# Altium PCB PCB1.PcbDoc
Units mm, origin at the board's own origin, x right, y up, seen from the top; angles counter-clockwise.
Board outline 95.5 x 95.5 mm, 2 copper layers (Top Layer, Bottom Layer); 59 components, 54 nets, 282 pads, 24 vias.
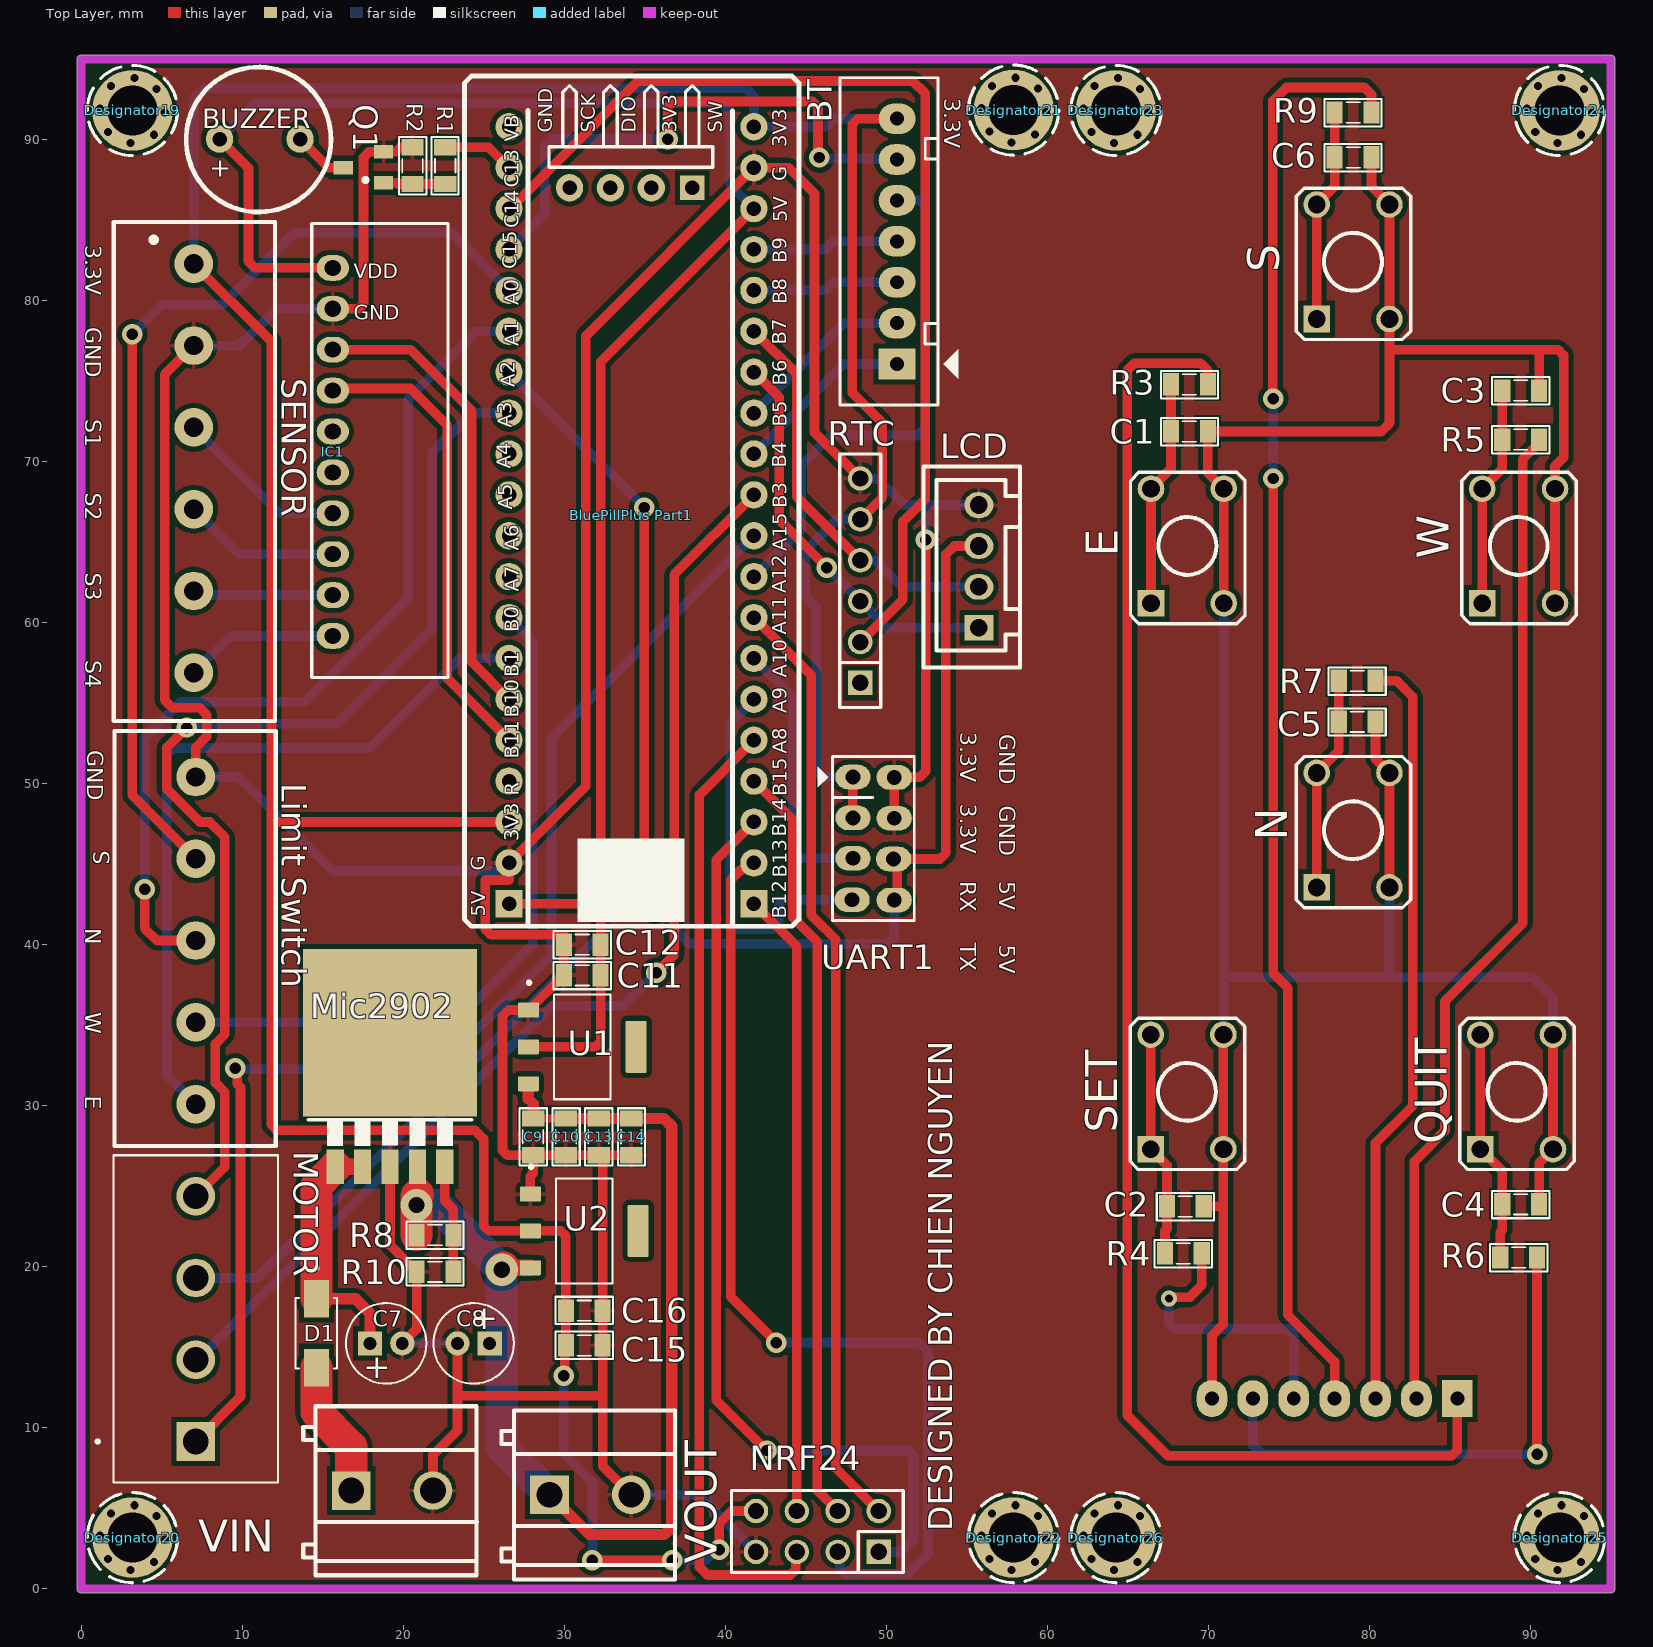
[diagram p0: Top Layer view]
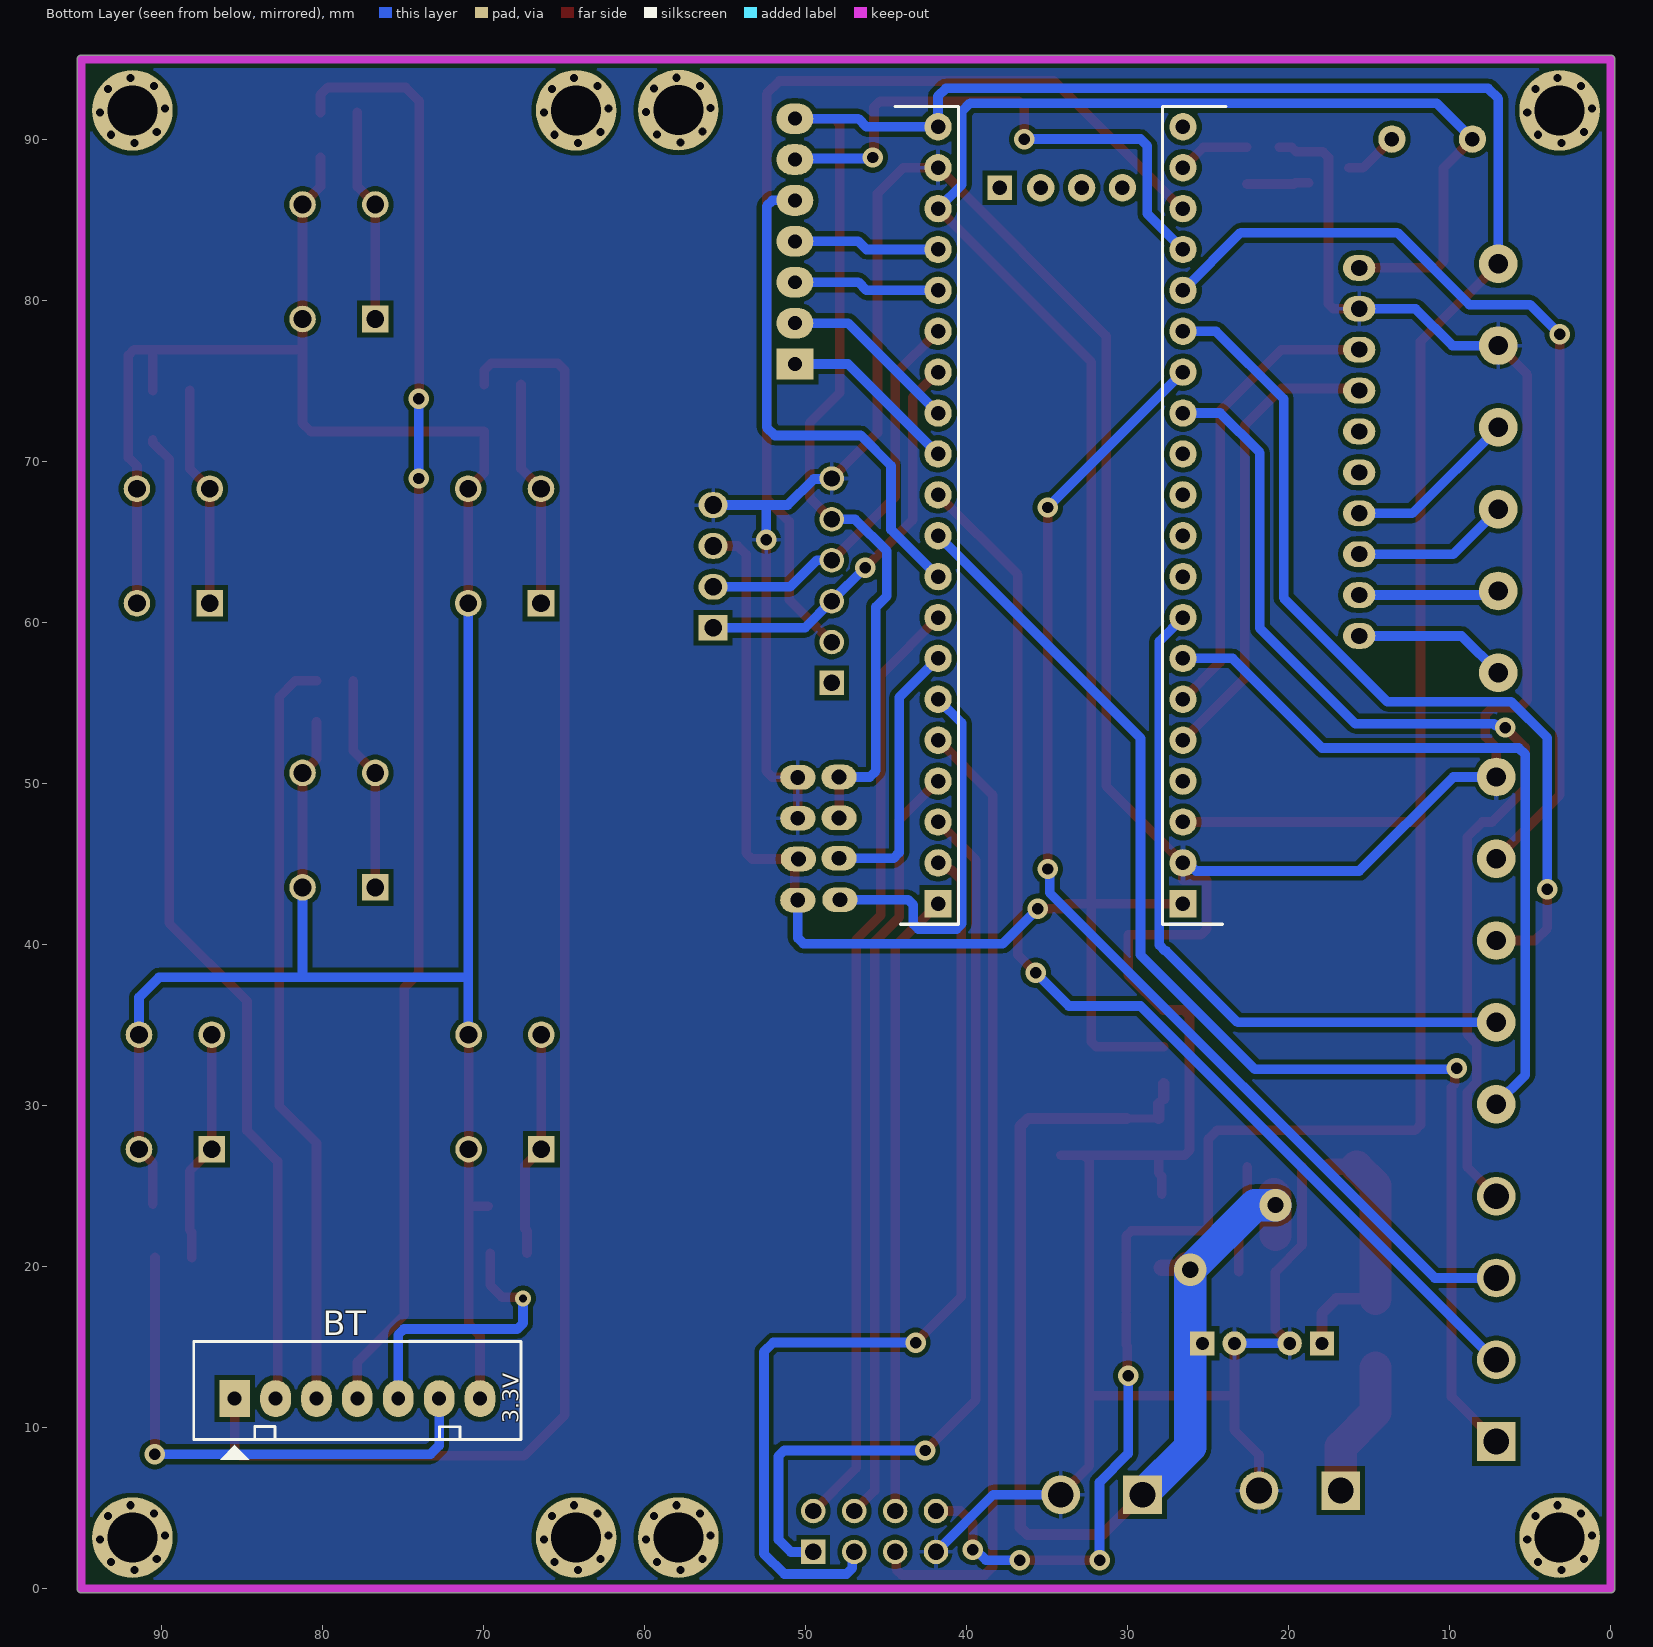
[diagram p1: Bottom Layer view, seen from below]
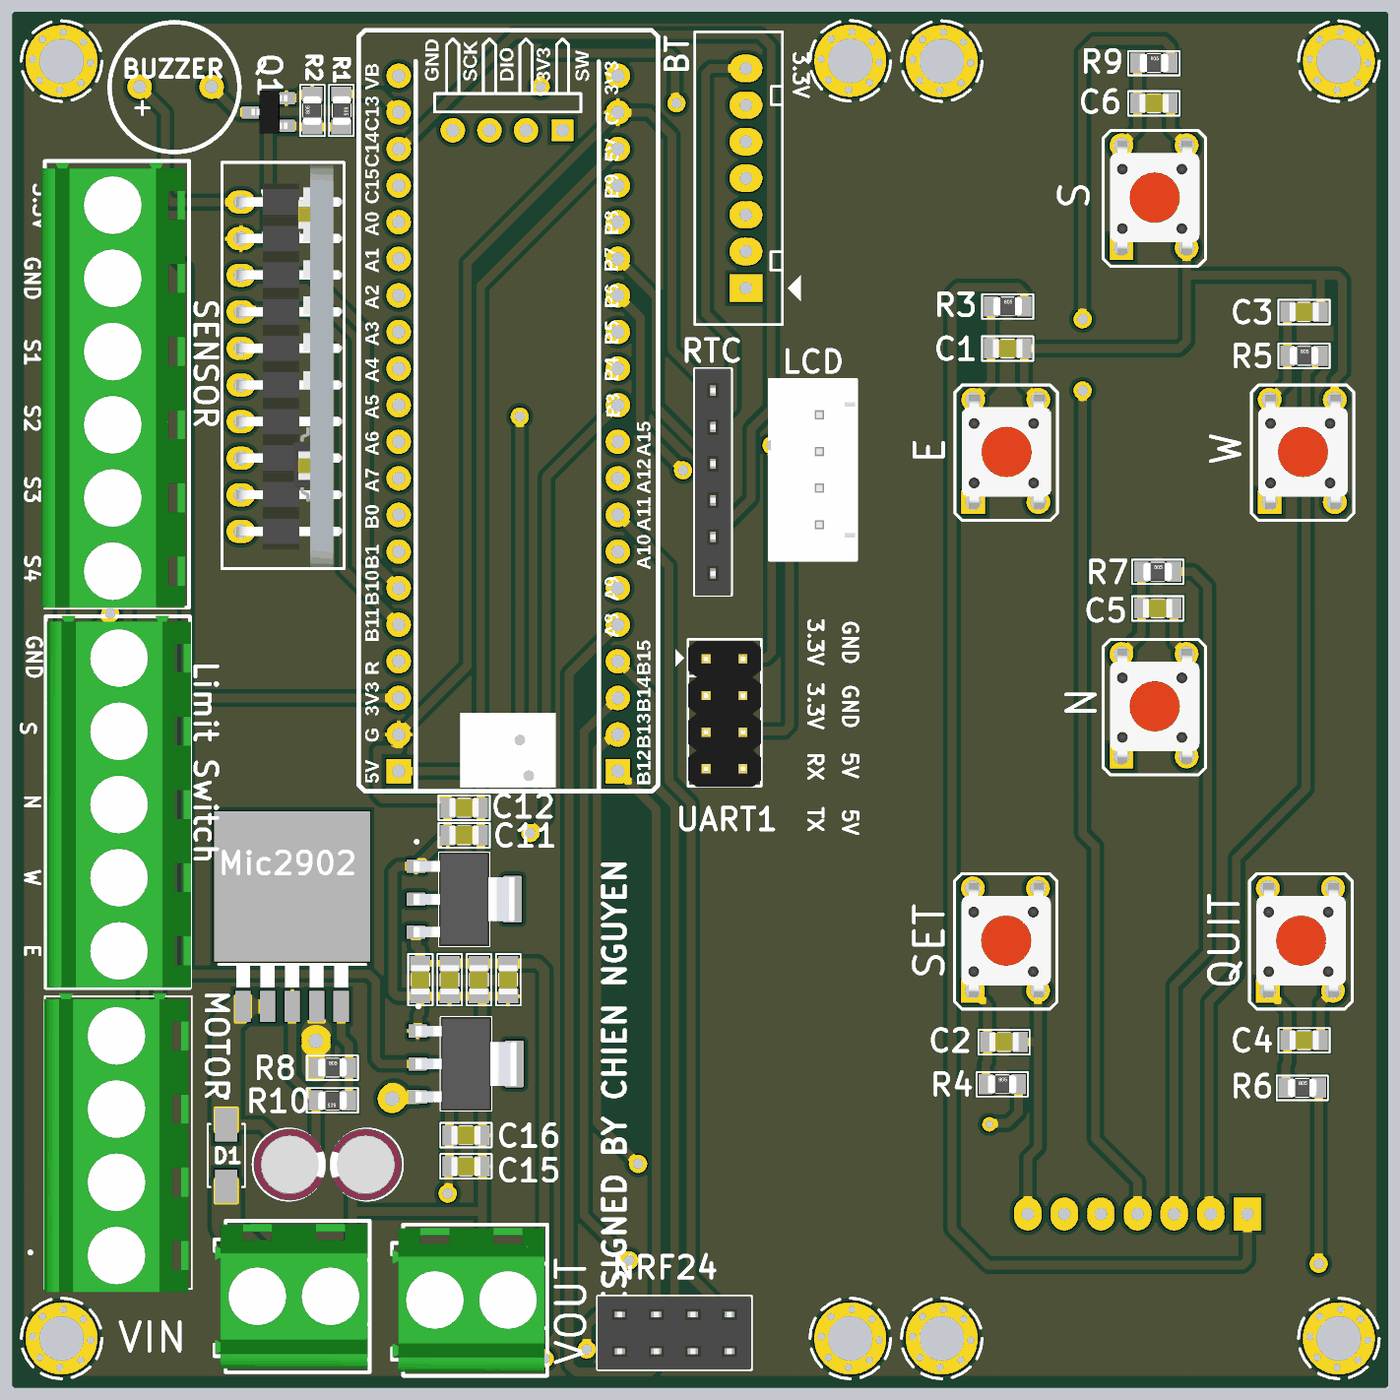
[diagram p2: 3D render of the assembled board from above, using the file's embedded part models]

## Layer stack, top to bottom
Top Solder: solder mask 0.0102, Solder Resist, Dk 3.5
Top Layer: signal copper 0.0356
Dielectric 1: dielectric 0.32, FR-4, Dk 4.8
Bottom Layer: signal copper 0.0356
Bottom Solder: solder mask 0.0102, Solder Resist, Dk 3.5

## Board outline
0,-0.25 cw(c0,0) -0.25,0 -0.25,95 cw(c0,95) 0,95.25 95,95.25 cw(c95,95) 95.25,95 95.25,0 cw(c95,0) 95,-0.25

## Design rules (kind name [scope] priority, off if disabled: settings)
Clearance [All] p1: gap=0.3 ignorepadtopadclearanceinfootprint=FALSE
PolygonConnect [All] p1: connectstyle=Relief reliefconductorwidth=0.254 reliefentries=4 polygonreliefangle="90 Angle" airgapwidth=0.254
RoutingVias VIA_PWR [InNetClass('PWR')] p1: holewidth=1 width=2 viastyle="Through Hole" minholewidth=1 minwidth=2 maxholewidth=1 maxwidth=2
RoutingVias VIA_SIGNAL [InNetClass('SIGNAL')] p2: holewidth=0.711 width=1.27 viastyle="Through Hole" minholewidth=0.711 minwidth=1.27 maxholewidth=0.711 maxwidth=1.27
SolderMaskExpansion [All] p1: expansion=0.102 istentingtop=FALSE
Width Width_SIGNAL [InNetClass('SIGNAL')] p1: maxlimit=0.7 minlimit=0.5 preferedwidth=0.6
Width Width_PWR [InNetClass('PWR')] p2: maxlimit=2 minlimit=2 preferedwidth=2
30 further rules are at their usual default settings.

## Classes and differential pairs
net class SIGNAL: 3.3V 3.3V-BT 5V CE CSN E GND INT_Wakeup IRQ MISO MOSI N NetBUZZER_2 NetC1_1 NetC2_1 NetC3_1 NetC4_1 NetC5_1 NetC6_1 NetIC2_5 NetQ1_1 PA12(SET) PA12(SET)-BT PB4(E) PB4(E)-BT PB5(W) PB5(W)-BT PB8(N) PB8(N)-BT PB9(S) PB9(S)-BT PC13(BUZZER) PC15(QUIT) PC15(QUIT)-BT S SCK SCL(I2C1) SCL(I2C2) SDA(I2C1) SDA(I2C2) "Sensor 1" "Sensor 2" "Sensor 3" "Sensor 4" TIM2_CH1 TIM2_CH2 TIM2_CH3 TIM2_CH4 UART1_RX UART1_TX W
net class PWR: 8V 12V NetC7_1
component class MAIN_Schematic: "BluePillPlus Part1" BT C1 C2 C3 C4 C5 C6 C7 C8 C9 C10 C11 C12 C13 C14 C15 C16 D1 E IC1 LCD Mic2902 MOTOR Q1 QUIT R1 R2 R3 R4 R5 R6 R7 R8 R9 R10 SENSOR SET U1 U2 VIN VOUT W

## Components (designator, comment, footprint, x,y, rotation, side; value= is the part's Value field where it differs from the comment)
"BluePillPlus Part1" "U?" BluePillPlus 8.293,67.272 r90 top
BT "BUTTON PORT-BT" Header7 85.471,11.811 r180 bottom value="Connector 7" (schematic designator JP3)
BT "BUTTON PORT" Header7 50.673,76.073 r90 top value="Connector 7" (schematic designator JP2)
BUZZER "Buzzer" "Buzzer 9mm" 11.008,90.006 r270 top
C1 "100nF" CAP_0805 68.834,71.882 r0 top value=33p
C2 "100nF" CAP_0805 68.58,23.749 r0 top value=33p
C3 "100nF" CAP_0805 89.408,74.422 r0 top value=33p
C4 "100nF" CAP_0805 89.408,23.876 r0 top value=33p
C5 "100nF" CAP_0805 79.248,53.848 r0 top value=33p
C6 "100nF" CAP_0805 78.994,88.9 r0 top value=33p
C7 "100uF/16V" CA-ALU-5 18.939,15.24 r0 top value=104
C8 "10uF/16V" CA-ALU-5 24.368,15.24 r180 top value=104
C9 "10uF" CAP_0805 28.067,28.067 r90 top value=33p
C10 "100nF" CAP_0805 30.099,28.067 r90 top value=33p
C11 "10uF" CAP_0805 31.115,38.1 r0 top value=33p
C12 "100nF" CAP_0805 31.115,40.005 r0 top value=33p
C13 "10uF" CAP_0805 32.131,28.067 r90 top value=33p
C14 "100nF" CAP_0805 34.163,28.067 r90 top value=33p
C15 "10uF" CAP_0805 31.242,15.113 r180 top value=33p
C16 "100nF" CAP_0805 31.242,17.272 r180 top value=33p
D1 "SS34" DIOM4325X244N 14.605,15.875 r270 top
Designator19 "Comment" "Hole Vit 3mm" 3.175,91.821 r0 top
Designator20 "Comment" "Hole Vit 3mm" 3.175,3.175 r0 top
Designator21 "Comment" "Hole Vit 3mm" 57.914,91.844 r0 top
Designator22 "Comment" "Hole Vit 3mm" 57.912,3.175 r0 top
Designator23 "Comment" "Hole Vit 3mm" 64.262,91.821 r0 top
Designator24 "Comment" "Hole Vit 3mm" 91.821,91.821 r0 top
Designator25 "Comment" "Hole Vit 3mm" 91.821,3.175 r0 top
Designator26 "Comment" "Hole Vit 3mm" 64.262,3.175 r0 top
E "Nut nhan 7mm" "BUTTON 4 PIN" 68.707,64.77 r90 top (schematic designator SW1)
IC1 "Module ADS1015 1115 - I2C2" "ADS1015 1115" 18.676,71.009 r270 top
LCD "I2C1 (LCD)" "XH2.54 4P" 55.753,59.69 r90 top (schematic designator H4)
"Limit Switch" "Limit switch terminal" "Header 5P 5.08" 7.052,36.819 r90 top (schematic designator H1)
Mic2902 "MIC29302WU" TO263-5 19.177,32.004 r0 top (schematic designator IC2)
MOTOR "Motor Port" "Header 4P 5.08" 7.555,16.681 r90 top (schematic designator H2)
N "Nut nhan 7mm" "BUTTON 4 PIN" 78.994,47.117 r90 top (schematic designator SW5)
NRF24 "SPI NRF24" JP4-C2T 45.72,3.556 r180 top value="Connector 4x2" (schematic designator J1)
Q1 "SI2306" SOT23 17.526,88.265 r90 top
QUIT "Nut nhan 7mm" "BUTTON 4 PIN" 89.154,30.861 r90 top (schematic designator SW4)
R1 "10R" RES-SMD-0805 22.606,88.392 r270 top
R2 "10K" RES-SMD-0805 20.574,88.392 r90 top
R3 "330R" RES-SMD-0805 68.834,74.803 r0 top
R4 "330R" RES-SMD-0805 68.453,20.828 r0 top
R5 "330R" RES-SMD-0805 89.408,71.374 r0 top
R6 "330R" RES-SMD-0805 89.281,20.574 r0 top
R7 "330R" RES-SMD-0805 79.248,56.388 r0 top
R8 "5.1k 0805" RES-SMD-0805 21.971,21.971 r0 top
R9 "330R" RES-SMD-0805 78.994,91.694 r0 top
R10 "1k 0805" RES-SMD-0805 21.971,19.685 r180 top
RTC "DS3231 Port" JP6-C1T 48.387,56.261 r90 top value=JP7 (schematic designator JP1)
S "Nut nhan 7mm" "BUTTON 4 PIN" 78.994,82.423 r90 top (schematic designator SW6)
SENSOR "Sensor Port" "Header 6P 5.08" 7.045,75.576 r270 top (schematic designator H3)
SET "Nut nhan 7mm" "BUTTON 4 PIN" 68.682,30.861 r90 top (schematic designator SW2)
U1 "AMS1117-5" SOT229P700X180-4N 31.115,33.655 r270 top
U2 "AMS1117-3.3" SOT229P700X180-4N 31.242,22.225 r270 top
UART1 "UART và PIN mở rộng" JP4x2 49.187,46.596 r270 top value="Connector 4x2" (schematic designator J2)
VIN "Header 2P" KF128-5.0-2P 18.834,6.176 r0 top (schematic designator H5)
VOUT "POWER 8V" KF128-5.0-2P 31.153,5.922 r0 top (schematic designator H6)
W "Nut nhan 7mm" "BUTTON 4 PIN" 89.281,64.77 r90 top (schematic designator SW3)

## Footprints (in the part's own frame and the unit in brackets; to place one, negate y for a bottom-side part, rotate by r counter-clockwise, add the part's x,y. Pads: shape width x height; smd on the part's side, far side on the other; paste and mask are expansions set on the pad)
"ADS1015 1115" [mm]
  oval 1.6x2 hole 1: 1(-11.033,-3.055) 2(-8.493,-3.055) 3(-5.953,-3.055) 4(-3.413,-3.055) 5(-0.873,-3.055) 6(1.667,-3.055) 7(4.207,-3.055) 8(6.747,-3.055) 9(9.287,-3.055) 10(11.827,-3.055)
  silkscreen extent -13.79,-4.36 14.42,4.1, body extent -13.62,-3.34 14.32,3.96, height 18.14
BluePillPlus [mm]
  rect 1.7x1.7 hole 0.9: 1(-24.727,-33.49) 40(-24.727,-18.275)
  round 1.7 hole 0.9: 2(-22.187,-33.49) 3(-19.647,-33.49) 4(-17.107,-33.49) 5(-14.567,-33.49) 6(-12.027,-33.49) 7(-9.487,-33.49) 8(-6.947,-33.49) 9(-4.407,-33.49) 10(-1.867,-33.49) 11(0.673,-33.49) 12(3.213,-33.49) 13(5.753,-33.49) 14(8.293,-33.49) 15(10.833,-33.49) 16(13.373,-33.49) 17(15.913,-33.49) 18(18.453,-33.49) 19(20.993,-33.49) 20(23.533,-33.49) 21(23.533,-18.275) 22(20.993,-18.275) 23(18.453,-18.275) 24(15.913,-18.275) 25(13.373,-18.275) 26(10.833,-18.275) 27(8.293,-18.275) 28(5.753,-18.275) 29(3.213,-18.275) 30(0.673,-18.275) 31(-1.867,-18.275) 32(-4.407,-18.275) 33(-6.947,-18.275) 34(-9.487,-18.275) 35(-12.027,-18.275) 36(-14.567,-18.275) 37(-17.107,-18.275) 38(-19.647,-18.275) 39(-22.187,-18.275) 42(19.749,-27.114) 43(19.749,-24.575) 44(19.748,-22.034)
  rect 1.5x1.5 hole 0.9: 41(19.749,-29.654)
  silkscreen extent -26.12,-36.28 26.68,-15.51
"BUTTON 4 PIN" [mil] "BUTTON SMORE 280mil x 178mil"
  rect 65x65 hole 43.31: 1(-140,89)
  round 65 hole 43.31: 1(140,89) 2(-140,-89) 2(140,-89)
  silkscreen extent -190,-141 180,139, body extent -159,-124 153,120, height 276
"Buzzer 9mm" [mm] "Coi 9mm Buzz Buzzer SPK SP"
  round 1.7 hole 0.9: 1(-0.037,-2.419) 2(-0.037,2.581)
  silkscreen extent -4.51,-4.49 4.49,4.5, body extent -4.48,-4.46 4.52,4.54, height 5.5
CA-ALU-5 [mm] "Polarized capacitors, Aluminum Electrolytic Capacitors, 2-Leads, Body 5x11x2x0.5"
  rect 1.5x1.5 hole 0.8: 1(-1,0)
  round 1.5 hole 0.8: 2(1,0)
  silkscreen extent -2.5,-2.5 2.5,2.5, body extent -2.41,-2.5 2.59,2.5, height 11
CAP_0805 [mil]
  rect 39.37x55 smd: 1(-45,0) 2(45,0)
  silkscreen extent -70,-34 70,33, body extent -40,-25 40,25, height 24
DIOM4325X244N [mm]
  rect 2.33x1.55 smd: A(2.135,0) C(-2.135,0)
  silkscreen extent -4.15,-1.29 2.19,1.29
Header7 [mil] "CON7"
  rect 75x90 hole 34: 1(0,0)
  oval 75x90 hole 34: 2(100,0) 3(200,0) 4(300,0) 5(400,0) 6(500,0) 7(600,0)
  silkscreen extent -100,-150 700,140
"Header 4P 5.08" [mm]
  rect 2.4x2.4 hole 1.6: 1(-7.537,0.443)
  round 2.4 hole 1.6: 2(-2.457,0.443) 3(2.623,0.443) 4(7.703,0.443)
  silkscreen extent -10.08,-4.66 10.24,6.64, body extent -10.29,-4.43 10.43,5.57, height 14
"Header 5P 5.08" [mm]
  round 2.4 hole 1.2: 1(-6.72,-0.06) 2(-1.64,-0.06) 3(3.44,-0.06) 4(8.52,-0.06) 5(13.6,-0.06)
  silkscreen extent -9.32,-5.03 16.47,4.98, body extent -9.29,-5.11 16.51,4.89, height 14
"Header 6P 5.08" [mm]
  round 2.4 hole 1.2: 1(-6.72,-0.06) 2(-1.64,-0.06) 3(3.44,-0.06) 4(8.52,-0.06) 5(13.6,-0.06) 6(18.68,-0.06)
  silkscreen extent -9.32,-5.03 21.69,4.98, body extent -9.19,-5.32 21.69,4.68, height 14
"Hole Vit 3mm" [mm]
  round 0.5 hole 0.5: 0(-2.009,0.125) 0(-1.509,-1.332) 0(-1.332,1.509) 0(-0.125,-2.009) 0(0.125,2.009) 0(1.332,-1.509) 0(1.509,1.332) 0(2.009,-0.125)
  round 5 hole 3.1: 0(0,0)
  silkscreen extent -2.8,-2.8 2.8,2.8
JP4-C2T [mm] "8 pins, dual row, straight, gold plating"
  rect 1.52x1.52 hole 1.02: 1(-3.81,1.27)
  round 1.52 hole 1.02: 2(-1.27,1.27) 3(1.27,1.27) 4(3.81,1.27) 5(3.81,-1.27) 6(1.27,-1.27) 7(-1.27,-1.27) 8(-3.81,-1.27)
  silkscreen extent -5.33,-2.54 5.33,2.54, body extent -5.33,-2.54 5.33,2.54, height 8.51
JP4x2 [mil] "Connector 4x2"
  oval 60x86 hole 36: 1(-150.5,-49.5) 2(-50.5,-49.5) 3(48.5,-49.5) 4(149.5,-51.5) 5(-149.5,51.5) 6(-49.5,51.5) 7(50,50) 8(150.5,51.5)
  silkscreen extent -201,-135 201,101, body extent -197,-100 203,100, height 335
JP6-C1T [mm] "6 row, straight, gold plating"
  rect 1.52x1.52 hole 1.02: 1(0,0)
  round 1.52 hole 1.02: 2(2.54,0) 3(5.08,0) 4(7.62,0) 5(10.16,0) 6(12.7,0)
  silkscreen extent -1.52,-1.27 14.22,1.27, body extent -1.52,-1.25 14.22,1.25, height 8.51
KF128-5.0-2P [mm] "KF128 5.0 2P Terminal"
  rect 2.4x2.4 hole 1.6: 1(-2.07,-0.08)
  round 2.4 hole 1.6: 2(3.01,-0.08)
  silkscreen extent -5.04,-5.34 5.73,5.16, body extent -5.01,-5.08 5.55,4.92, height 14
RES-SMD-0805 [mm]
  rect 1x1.397 smd: 1(-1.143,0) 2(1.143,0)
  silkscreen extent -1.78,-0.86 1.78,0.84, body extent -1,-0.62 1,0.63, height 0.8
SOT23 [mm] "SOT 23 _ 1-3-2"
  rect 0.85x1.2 smd: 1(-0.94,-1.245) 2(0.986,-1.25) 3(0.005,1.25)
  silkscreen extent -0.88,-0.25 -0.64,0, body extent -1.47,-1.33 1.53,1.17, height 1.06
SOT229P700X180-4N [mm]
  rrect15% 0.93x1.31 smd: 1(-2.29,-3.345) 2(0,-3.345) 3(2.29,-3.345)
  rrect15% 3.24x1.31 smd: 4(0,3.345)
  silkscreen extent -4.09,-3.4 3.25,1.75, body extent -3.25,-3.5 3.25,3.5, height 1.8
TO263-5 [mil]
  rect 42x85 smd: 1(-134,-228) 2(-67,-228) 3(0,-228) 4(67,-228) 5(134,-228)
  rect 425.2x409.84 smd: 6(0,100)
  silkscreen extent -201,-176 201,-110
"XH2.54 4P" [mm] "Header 4P 2.54"
  rect 1.6x1.8 hole 1.1: 1(0,0)
  oval 1.6x1.8 hole 1.1: 2(2.54,0) 3(5.08,0) 4(7.62,0)
  silkscreen extent -2.48,-2.57 10.02,3.43, body extent -2.38,-2.5 9.92,3.34, height 7.21

## Part data
"BluePillPlus Part1": library part BluePillPlus, "BluePillPlus", ComponentLink1Description="WeAct Studio", ComponentLink1URL=WeAct-TC.cn, ComponentLink2Description="BluePillPlus Github", ComponentLink2URL=https://github.com/WeActTC/BluePill-Plus, ComponentLink3Description="BluePillPlus Gitee", ComponentLink3URL=https://gitee.com/WeAct-TC/BluePill-Plus
BT BT: library part Header7, "Connector 7"
BUZZER: "spk buzz coi loa"
C1 C2 C3 C4 C5 C6 C9 C10 C11 C12 C13 C14 C15 C16: library part CapSMD, "Capacitor", LatestRevisionDate=17-Jul-2002, LatestRevisionNote="Re-released for DXP Platform.", PackageReference=RAD-0.3, Published=8-Jun-2000, Publisher="Altium Limited"
C7 C8: library part CAP-ALU-DIP, "Capacitor (Semiconductor SIM Model)", LatestRevisionDate=17-Jul-2002, LatestRevisionNote="Re-released for DXP Platform.", PackageReference=C1206, Publisher="Altium Limited"
D1: library part SSB44, "4A, 40V, Schottky Rectifier", Package="SMB-2 Taiwan Semiconductor", Check_prices=https://www.snapeda.com/parts/SSB44/Taiwan+Semiconductor/view-part/?ref=eda, MF="Taiwan Semiconductor", MP=SSB44, SnapEDA_Link=https://www.snapeda.com/parts/SSB44/Taiwan+Semiconductor/view-part/?ref=snap
E N QUIT S SET W: library part Button
IC1: library part "Module ADS1015 1115", "Module ADS1015 1115 ADC 12Bit 16Bit"
LCD MOTOR: library part "Header 4P"
"Limit Switch": library part "Header 5P"
Mic2902: "Linear Voltage Regulator IC 1 Output 3A TO-263-5", Package="TO-263-6 Microchip Technology", Availability=Unavailable, MF="Microchip Technology", MP=MIC29302WU, Price=None, SnapEDA_Link=https://www.snapeda.com/parts/MIC29302WU/Microchip/view-part/4422516/?ref=snap
NRF24 UART1: library part JP4x2, "Connector 4x2"
Q1: library part SI2304, "SI2306 N-Mosfet 3.5A 30V SOT-23"
R1 R2 R3 R4 R5 R6 R7 R8 R9 R10: library part "Resistor - SMD", "Resistor SMD", Manufacturer="Generic Components", Class=Passive, Published=08/06/2000, Publisher="Altium Hobart Technology Centre"
RTC: library part JP6, "JP6 PIN"
SENSOR: library part "Header 6P"
U1 U2: library part AMS1117-5.0, "1A LOW DROPOUT VOLTAGE REGULATOR", Package="SOT-223 Seeed Technology", Availability="Not in stock", Check_prices=https://www.snapeda.com/parts/AMS1117-5.0/ams/view-part/?ref=eda, MF=ams, MP=AMS1117-5.0, Price=None, SnapEDA_Link=https://www.snapeda.com/parts/AMS1117-5.0/ams/view-part/?ref=snap
VOUT: library part "Header 2P"

## Via types
v1: diameter 1.27, hole 0.711, Top Layer to Bottom Layer, 21 vias
v2: diameter 2, hole 1, Top Layer to Bottom Layer, 2 vias
v3: diameter 1, hole 0.5, Top Layer to Bottom Layer, 1 vias

## Nets (pads, with @x,y where several pads share a name; then routed paths per layer and width w, separated by ;. In a path a pad name is that pad's centre, name@x,y a point inside that pad or via, vN(x,y) a via of type N, cw(c..) or ccw(c..) an arc to the next point about the centre after c; other vN are vias at no path point)
3.3V: "BluePillPlus Part1.20" "BluePillPlus Part1.38" BT.7@50.673,91.313 C15.2 C16.2 NRF24.5 RTC.5 SENSOR.1 U2.2 UART1.1 UART1.2 | length 236.2
  Top Layer w0.6: SENSOR.1 11.699,77.582 11.811,77.47 11.811,47.625 ; 26.568,47.625 11.811,47.625 ; v1(29.972,13.224) 30.036,13.287 30.036,15.049 C15.2 30.099,16.18 C16.2@30.099,17.069 ; C16.2 30.099,21.907 29.781,22.225 U2.2 25.311,22.225 24.994,22.543 24.994,27.94 24.46,28.473 12.162,28.473 11.811,28.825 11.811,47.625 ; v1(31.75,1.778) v1(36.703,1.778) ; v1(39.624,2.413) 39.624,4.064 40.386,4.826 NRF24.5 ; UART1.2 UART1.1 ; RTC.5 49.759,67.793 49.759,72.415 47.879,74.295 47.879,90.962 48.23,91.313 BT.7@50.673,91.313
  Bottom Layer w0.6: SENSOR.1 6.985,92.558 7.62,93.193 41.3,93.193 41.783,92.71 41.783,90.805 46.228,90.805 46.736,91.313 BT.7@50.673,91.313 ; v1(29.972,13.224) 29.972,8.39 31.75,6.612 v1(31.75,1.778) ; v1(36.703,1.778) 38.808,1.778 39.443,2.413 v1(39.624,2.413) ; UART1.1 46.025,50.419 45.644,50.8 45.644,60.983 44.961,61.666 44.961,64.453 46.929,66.421 RTC.5
3.3V-BT: BT.7@70.231,11.811 C1.2 C2.2 C3.2 C4.2 C5.2 C6.2 E.2 N.2 QUIT.2 S.2 SET.2 W.2 | length 169.9
  Top Layer w0.6: C2.2 70.815,23.749 ; BT.7@70.231,11.811 70.231,15.723 70.942,16.434 70.942,27.305 SET.2@70.942,34.417 ; E.2@70.968,61.214 70.968,68.326 69.977,69.317 C1.2 80.747,71.882 81.255,72.39 81.255,76.962 ; C6.2 80.137,87.097 81.255,85.979 81.255,78.867 81.255,76.962 ; C5.2 80.391,51.537 81.255,50.673 N.2@81.255,43.561 ; 90.424,76.962 90.551,76.835 C3.2 ; C4.2 90.551,26.441 91.415,27.305 QUIT.2@91.415,34.417 ; W.2@91.542,61.214 91.542,68.326 91.542,69.723 92.075,70.256 92.075,76.611 91.724,76.962 81.255,76.962
  Bottom Layer w0.6: SET.2@70.942,34.417 70.955,34.43 70.955,37.973 ; E.2@70.968,61.214 70.955,61.201 70.955,37.973 ; N.2@81.255,43.561 81.255,37.973 ; QUIT.2@91.415,34.417 91.415,36.728 90.17,37.973 81.255,37.973 ; 70.955,37.973 81.255,37.973
5V: "BluePillPlus Part1.18" "BluePillPlus Part1.40" BUZZER.1 C11.2 C12.2 IC1.1 LCD.3 U1.2 UART1.7 UART1.8 | length 167.3
  Top Layer w0.6: BUZZER.1 10.389,88.243 10.389,82.448 10.795,82.042 IC1.1 ; 26.568,42.545 31.94,42.545 ; U1.2 31.94,33.655 32.258,33.972 C11.2 C12.2 32.258,76.2 41.783,85.725 ; 32.575,42.545 33.76,42.545 34.06,42.245 35.58,42.245 v1(35.595,42.23) ; UART1.8 50.673,42.951 50.673,45.11 UART1.7 53.34,45.326 53.696,45.682 53.696,64.237 54.229,64.77 LCD.3
  Bottom Layer w0.6: BUZZER.1 10.824,92.278 39.789,92.278 40.31,91.757 40.31,87.198 41.783,85.725 ; v1(35.595,42.23) v1(35.595,42.23) 37.757,40.07 50.144,40.07 50.495,40.422 UART1.8
8V: C8.1 C9.2 C10.2 C13.2 C14.2 Mic2902.4 R8.1 U1.3 U2.3 VOUT.1 | length 71.4
  Top Layer w0.5: 27.77,30.421 28.067,30.124 ; C9.2 29.058,29.21 C10.2
  Top Layer w0.7: 27.77,30.421 U1.3 ; C9.2 28.067,30.124 ; VOUT.1 31.562,3.363 36.231,3.363 36.678,3.81 36.678,28.727 36.195,29.21 C14.2 33.122,29.21 C13.2 C10.2
  Top Layer w1: v2@26.238,19.935 U2.3
  Top Layer w2: R8.1 v2(20.828,23.825) 20.828,24.412 v2@20.913,24.498 ; v2(26.115,19.812) v2@26.238,19.935
  Bottom Layer w2: v2(20.828,23.825) 22.102,23.825 v2(26.115,19.812) 26.115,8.81 VOUT.1
12V: D1.A VIN.1 | length 8.5
  Top Layer w2: D1.A 14.605,10.973 16.764,8.814 VIN.1
CE: "BluePillPlus Part1.5" NRF24.3 | length 60.2
  Top Layer w0.6: 41.783,52.705 38.389,49.311 38.389,1.345 38.884,0.85 44.035,0.85 44.387,1.201 44.387,2.223 NRF24.3
CSN: "BluePillPlus Part1.1" NRF24.6 | length 38.8
  Top Layer w0.6: 41.783,42.545 44.45,39.878 NRF24.6
E: "BluePillPlus Part1.34" "Limit Switch.1" | length 46.2
  Bottom Layer w0.6: 7.112,30.099 5.309,31.902 5.309,51.816 5.715,52.222 17.932,52.222 23.495,57.785 26.568,57.785
GND: "BluePillPlus Part1.19" "BluePillPlus Part1.39" "Limit Switch.5" C7.2 C8.2 C9.1 C10.1 C11.1 C12.1 C13.1 C14.1 C15.1 C16.1 IC1.2 LCD.4 Mic2902.3 NRF24.4 Q1.2 R2.2 R10.2 RTC.6 SENSOR.2 U1.1 U2.1 UART1.5 UART1.6 VIN.2 VOUT.2 | length 280.8
  Top Layer w0.6: SENSOR.2 5.182,75.413 5.182,55.194 5.648,54.727 7.353,54.727 7.788,54.292 7.788,52.938 7.112,52.262 7.112,50.419 ; IC1.2 17.221,79.502 17.526,79.807 17.526,88.9 17.877,89.251 Q1.2 19.533,89.251 19.817,89.535 R2.2 ; Mic2902.3 19.177,21.336 R10.2 20.828,16.129 C7.2 ; VIN.2 21.844,8.314 23.368,9.838 23.368,12.065 ; C8.2 23.368,12.065 ; U2.1 27.897,25.629 28.067,25.799 C9.1 ; VOUT.2 32.385,7.62 32.385,11.989 ; C14.1 33.122,26.924 ; RTC.6 45.542,71.806 45.542,86.665 43.942,88.265 41.783,88.265 31.344,77.826 31.344,49.86 26.568,45.085 26.568,44.044 26.543,44.018 25.121,44.018 25.095,43.993 25.095,40.957 25.438,40.615 29.972,40.615 C12.1 C11.1 29.943,38.1 27.788,35.945 U1.1 26.547,35.945 26.162,35.56 26.162,27.229 26.467,26.924 C9.1 ; UART1.6 UART1.5 52.07,50.394 52.451,50.775 v1(52.451,65.164) ; 23.368,12.065 23.368,11.989 32.385,11.989 ; C9.1 29.058,26.924 C10.1 C13.1 33.122,26.924 ; 32.385,11.989 C15.1 32.385,16.18 C16.1 32.385,26.606 32.703,26.924 33.122,26.924
  Bottom Layer w0.6: SENSOR.2 9.83,77.216 12.116,79.502 IC1.2 ; 7.112,50.419 9.779,50.419 15.621,44.577 25.763,44.577 26.271,45.085 26.568,45.085 ; C7.2 C8.2 ; VOUT.2 38.354,5.842 NRF24.4 ; RTC.6 48.42,68.928 49.502,68.928 51.12,67.31 52.451,67.31 ; v1(52.451,65.164) 52.451,67.31 ; LCD.4 52.451,67.31
INT_Wakeup: "BluePillPlus Part1.23" RTC.2 | length 65.2
  Top Layer w0.6: 26.568,85.725 26.67,85.725 34.595,93.65 51.638,93.65 52.426,92.862 52.426,67.691 51.029,66.294 51.029,61.443 RTC.2
IRQ: "BluePillPlus Part1.8" NRF24.8 | length 58.7
  Top Layer w0.6: 41.783,60.325 45.339,56.769 45.339,41.837 46.863,40.313 46.863,7.493 NRF24.8
MISO: "BluePillPlus Part1.3" NRF24.1 | length 58.2
  Top Layer w0.6: 41.783,47.625 39.433,45.275 39.433,11.723 v1(42.57,8.585)
  Bottom Layer w0.6: v1(42.57,8.585) 51.338,8.585 51.689,8.234 51.689,3.048 50.927,2.286 NRF24.1
MOSI: "BluePillPlus Part1.4" NRF24.7 | length 47.5
  Top Layer w0.6: 41.783,50.165 44.196,47.752 44.196,41.707 45.72,40.183 45.72,6.096 NRF24.7
N: "BluePillPlus Part1.26" "Limit Switch.3" | length 55.7
  Top Layer w0.6: v1(3.937,43.434) 3.937,41.021 4.699,40.259 7.112,40.259
  Bottom Layer w0.6: v1(3.937,43.434) 3.937,52.857 6.172,55.093 13.861,55.093 20.32,61.552 20.32,73.914 24.511,78.105 26.568,78.105
NetBUZZER_2: BUZZER.2 Q1.3 | length 3.4
  Top Layer w0.6: BUZZER.2 15.362,88.27 Q1.3
NetC1_1: C1.1 E.1 R3.1 | length 14.1
  Top Layer w0.6: E.1@66.446,61.214 66.446,68.326 67.691,69.571 C1.1 R3.1
NetC2_1: C2.1 R4.1 SET.1 | length 14.1
  Top Layer w0.6: SET.1@66.421,34.417 66.421,27.305 67.437,26.289 C2.1 67.437,22.352 67.31,22.225 R4.1
NetC3_1: C3.1 R5.1 W.1 | length 13.7
  Top Layer w0.6: W.1@87.02,61.214 87.02,68.326 88.265,69.571 R5.1 C3.1
NetC4_1: C4.1 QUIT.1 R6.1 | length 14.5
  Top Layer w0.6: QUIT.1@86.893,34.417 86.893,27.305 88.265,25.933 C4.1 88.265,22.276 88.138,22.149 R6.1
NetC5_1: C5.1 N.1 R7.1 | length 13.4
  Top Layer w0.6: N.1@76.733,43.561 76.733,50.673 78.105,52.045 C5.1 R7.1
NetC6_1: C6.1 R9.1 S.1 | length 13.3
  Top Layer w0.6: S.1@76.733,78.867 76.733,85.979 77.851,87.097 C6.1 R9.1
NetC7_1: C7.1 D1.C Mic2902.1 Mic2902.2 | length 16
  Top Layer w0.7: D1.C 17.042,18.01 17.939,17.113 C7.1
  Top Layer w1: Mic2902.1 Mic2902.2
  Top Layer w2: D1.C 14.605,25.044 Mic2902.1
NetIC2_5: Mic2902.5 R8.2 R10.1 | length 6.7
  Top Layer w0.6: Mic2902.5 22.581,24.079 23.114,23.546 R8.2 23.114,20.803 R10.1
NetQ1_1: Q1.1 R1.2 R2.1 | length 3.9
  Top Layer w0.6: Q1.1 19.609,87.325 19.685,87.249 R2.1 21.565,87.249 R1.2
PA12(SET): "BluePillPlus Part1.9" BT.5@50.673,86.233 | length 32.4
  Bottom Layer w0.6: 41.783,62.865 44.704,65.786 44.704,69.753 46.579,71.628 51.918,71.628 52.426,72.136 52.426,85.877 52.07,86.233 BT.5@50.673,86.233
PA12(SET)-BT: BT.5@75.311,11.811 R4.2 | length 17.9
  Top Layer w0.6: v3(67.564,18.034) 67.641,18.111 68.863,18.111 69.596,18.844 R4.2
  Bottom Layer w0.6: v3(67.564,18.034) 67.564,16.48 67.915,16.129 74.96,16.129 75.311,15.778 BT.5@75.311,11.811
PB4(E): "BluePillPlus Part1.12" BT.1@50.673,76.073 | length 11.2
  Bottom Layer w0.6: 41.783,70.485 47.371,76.073 BT.1@50.673,76.073
PB4(E)-BT: BT.1@85.471,11.811 R3.2 | length 96.1
  Top Layer w0.6: R3.2 69.977,75.679 69.532,76.124 65.405,76.124 64.973,75.692 64.973,10.77 67.488,8.255 85.12,8.255 85.471,8.606 BT.1@85.471,11.811
PB5(W): "BluePillPlus Part1.13" BT.2@50.673,78.613 | length 11.2
  Bottom Layer w0.6: 41.783,73.025 47.371,78.613 BT.2@50.673,78.613
PB5(W)-BT: BT.2@82.931,11.811 R5.2 | length 62.8
  Top Layer w0.6: BT.2@82.931,11.811 82.804,11.938 82.804,26.543 84.709,28.448 84.709,36.5 89.535,41.326 89.535,70.16 90.351,70.975 90.551,71.176 R5.2
PB8(N): "BluePillPlus Part1.16" BT.3@50.673,81.153 | length 9.1
  Bottom Layer w0.6: 41.783,80.645 46.228,80.645 46.736,81.153 BT.3@50.673,81.153
PB8(N)-BT: BT.3@80.391,11.811 R7.2 | length 47.3
  Top Layer w0.6: BT.3@80.391,11.811 80.391,27.686 82.702,29.997 82.702,55.397 81.712,56.388 R7.2
PB9(S): "BluePillPlus Part1.17" BT.4@50.673,83.693 | length 9.1
  Bottom Layer w0.6: 41.783,83.185 46.228,83.185 46.736,83.693 BT.4@50.673,83.693
PB9(S)-BT: BT.4@77.851,11.811 R9.2 | length 89.9
  Top Layer w0.6: v1@74.016,73.914 74.016,92.405 74.854,93.243 79.692,93.243 80.137,92.799 R9.2 ; v1(74.041,68.961) 74.041,38.219 74.93,37.33 74.93,17.018 77.851,14.097 BT.4@77.851,11.811
  Bottom Layer w0.6: v1(74.041,68.961) v1(74.041,73.914)
PC13(BUZZER): "BluePillPlus Part1.22" R1.1 | length 4.5
  Top Layer w0.6: R1.1 25.298,89.535 26.568,88.265
PC15(QUIT): "BluePillPlus Part1.24" BT.6@50.673,88.773 | length 34.8
  Top Layer w0.6: v1(36.424,90.043) 36.424,92.028 36.775,92.38 45.408,92.38 45.76,92.028 45.76,88.987 v1(45.847,88.9)
  Bottom Layer w0.6: 26.568,83.185 28.778,85.395 28.778,89.611 29.21,90.043 v1(36.424,90.043) ; v1(45.847,88.9) 45.91,88.837 50.609,88.837 BT.6@50.673,88.773
PC15(QUIT)-BT: BT.6@72.771,11.811 R6.2 | length 33
  Top Layer w0.6: v1(90.424,8.357) R6.2
  Bottom Layer w0.6: BT.6@72.771,11.811 72.771,8.89 73.304,8.357 v1(90.424,8.357)
S: "BluePillPlus Part1.25" "Limit Switch.4" | length 61.7
  Top Layer w0.6: v1(3.175,77.927) 3.175,49.276 7.112,45.339
  Bottom Layer w0.6: v1(3.175,77.927) 5.004,79.756 8.788,79.756 13.259,84.226 22.987,84.226 26.568,80.645
SCK: "BluePillPlus Part1.2" NRF24.2 | length 61.2
  Top Layer w0.6: 41.783,45.085 41.485,45.085 41.038,44.638 40.955,44.638 40.333,44.016 40.333,18.138 v1(43.18,15.291)
  Bottom Layer w0.6: v1(43.18,15.291) 52.019,15.291 52.589,14.721 52.589,2.17 51.333,0.914 47.469,0.914 47.117,1.266 47.117,2.159 NRF24.2
SCL(I2C1): "BluePillPlus Part1.14" LCD.1 RTC.3 | length 25
  Top Layer w0.6: 41.783,75.565 43.358,73.99 43.358,66.37 v1(46.304,63.424)
  Bottom Layer w0.6: v1(46.304,63.424) RTC.3 50.038,59.69 LCD.1
SCL(I2C2): "BluePillPlus Part1.35" IC1.3 | length 29.1
  Top Layer w0.6: IC1.3 20.447,76.962 24.257,73.152 24.257,57.556 26.568,55.245
SDA(I2C1): "BluePillPlus Part1.15" LCD.2 RTC.4 | length 25
  Top Layer w0.6: 41.783,78.105 44.45,75.438 44.45,67.818 RTC.4
  Bottom Layer w0.6: RTC.4 49.327,63.881 50.978,62.23 LCD.2
SDA(I2C2): "BluePillPlus Part1.36" IC1.4 | length 29.3
  Top Layer w0.6: IC1.4 15.748,74.549 20.447,74.549 22.733,72.263 22.733,56.54 26.568,52.705
"Sensor 1": IC1.7 SENSOR.3 | length 10.8
  Bottom Layer w0.6: SENSOR.3 12.319,66.802 IC1.7
"Sensor 2": IC1.8 SENSOR.4 | length 9.8
  Bottom Layer w0.6: SENSOR.4 9.779,64.262 IC1.8
"Sensor 3": IC1.9 SENSOR.5 | length 8.7
  Bottom Layer w0.6: SENSOR.5 7.239,61.722 IC1.9
"Sensor 4": IC1.10 SENSOR.6 | length 9.6
  Bottom Layer w0.6: SENSOR.6 9.271,59.182 IC1.10
TIM2_CH1: "BluePillPlus Part1.10" MOTOR.1 | length 78.3
  Top Layer w0.6: MOTOR.1 9.895,11.927 9.895,31.134 9.688,31.341 9.688,32.193 v1(9.56,32.322)
  Bottom Layer w0.6: v1(9.56,32.322) 9.624,32.258 22.098,32.258 29.21,39.37 29.21,52.832 41.783,65.405
TIM2_CH2: "BluePillPlus Part1.11" MOTOR.2 | length 70.8
  Top Layer w0.6: v1(35.712,38.252) 36.83,39.37 36.83,62.992 41.783,67.945
  Bottom Layer w0.6: MOTOR.2 7.239,14.224 29.21,36.195 33.655,36.195 v1(35.712,38.252)
TIM2_CH3: "BluePillPlus Part1.27" MOTOR.3 | length 73.5
  Top Layer w0.6: v1(34.976,44.704) v1(34.976,67.158)
  Bottom Layer w0.6: MOTOR.3 10.922,19.304 34.848,43.23 34.848,44.576 v1(34.976,44.704) ; 26.568,75.565 v1(34.976,67.158)
TIM2_CH4: "BluePillPlus Part1.28" MOTOR.4 | length 67.2
  Top Layer w0.6: v1(6.553,53.492) 5.312,52.251 5.312,49.673 7.36,47.625 7.974,47.625 8.912,46.687 8.912,34.433 8.325,33.846 8.325,31.432 8.912,30.845 8.912,26.184 MOTOR.4
  Bottom Layer w0.6: v1(6.553,53.492) 6.681,53.621 7.139,53.621 7.24,53.721 15.859,53.721 21.793,59.655 21.793,70.561 24.257,73.025 26.568,73.025
UART1_RX: "BluePillPlus Part1.7" UART1.3 | length 16.9
  Bottom Layer w0.6: 41.783,57.785 44.196,55.372 44.196,45.716 44.547,45.364 UART1.3
UART1_TX: "BluePillPlus Part1.6" UART1.4 | length 23.7
  Bottom Layer w0.6: 41.783,55.245 40.31,53.772 40.31,41.3 40.64,40.97 43.002,40.97 43.317,41.285 43.317,42.474 43.641,42.799 UART1.4
W: "BluePillPlus Part1.33" "Limit Switch.2" | length 43.9
  Bottom Layer w0.6: 7.112,35.179 23.17,35.179 27.615,39.624 27.69,39.624 28.042,39.975 28.042,58.852 26.568,60.325
pads on no net: "BluePillPlus Part1.21" "BluePillPlus Part1.29" "BluePillPlus Part1.30" "BluePillPlus Part1.31" "BluePillPlus Part1.32" "BluePillPlus Part1.37" "BluePillPlus Part1.41" "BluePillPlus Part1.42" "BluePillPlus Part1.43" "BluePillPlus Part1.44" Designator19.0 Designator20.0 Designator21.0 Designator22.0 Designator23.0 Designator24.0 Designator25.0 Designator26.0 IC1.5 IC1.6 Mic2902.6 RTC.1 U1.4 U2.4

## Polygon pours and split planes (outlines as drawn)
GND on Bottom Layer "GND_L02_P001" (solid, remove dead copper, pour order 1): 0,94.996 94.996,94.996 94.996,0 0,0
GND on Top Layer "GND_L01_P000" (solid, remove dead copper, pour order 0): 0,94.996 94.996,94.996 94.996,0 0,0

## Keep-outs
Keep-Out Layer:
  lines w0.5: 0,0 0,95 95,95 95,0 0,0

## Silkscreen, mask and mechanical layers (free items; w line width, h text height)
Top Overlay:
  text "3.3V" at 53.594,92.583 h1 r270
  text "3.3V" at 0.254,83.439 h1 r270
  text "GND" at 0.254,78.359 h1 r270
  text "S1" at 0.254,72.644 h1 r270
  text "S2" at 0.254,68.072 h1 r270
  text "S3" at 0.254,63.119 h1 r270
  text "S4" at 0.254,57.658 h1 r270
  text "3.3V" at 54.61,53.213 h1 r270
  text "GND" at 57.023,53.086 h1 r270
  text "GND" at 0.381,52.07 h1 r270
  text "3.3V" at 54.61,48.768 h1 r270
  text "GND" at 57.023,48.641 h1 r270
  text "S" at 1.778,44.958 h1 r90
  text "RX" at 54.61,43.942 h1 r270
  text "5V" at 57.023,43.942 h1 r270
  text "N" at 0.254,41.021 h1 r270
  text "TX" at 54.61,40.132 h1 r270
  text "5V" at 57.023,40.005 h1 r270
  text "W" at 0.254,35.814 h1 r270
  text "E" at 0.254,30.607 h1 r270
  text "DESIGNED BY CHIEN NGUYEN" at 54.102,3.556 h1.5 r90
Bottom Overlay:
  text "DESIGNED BY CHIEN NGUYEN" at 72.771,53.34 h50 r90
  text "DESIGNED BY CHIEN NGUYEN" at 100.838,42.672 h44
  text "3.3V" at 67.818,10.287 h1 r270

## Text inside footprints (layer, text, board x,y; h text height)
"BluePillPlus Part1": Top Overlay "A6" at 27.47,64.478 h1.52 r90; Top Overlay "B1" at 27.47,56.629 h1.52 r90; Top Overlay "B5" at 44.122,72.174 h1.52 r90; Top Overlay "A3" at 27.038,72.098 h1.52 r90; Top Overlay "C13" at 27.47,87.008 h1.52 r90; Top Overlay "A12" at 44.107,61.836 h1.52 r90; Top Overlay "5V" at 25.413,41.745 h1.52 r90; Top Overlay "A4" at 26.987,69.558 h1.52 r90; Top Overlay "B12" at 44.107,41.618 h1.52 r90; Top Overlay "A15" at 44.125,64.427 h1.52 r90; Top Overlay "B14" at 44.107,46.698 h1.52 r90; Top Overlay "B3" at 44.125,67.12 h1.52 r90; Top Overlay "A10" at 44.125,56.578 h1.52 r90; Top Overlay "SW" at 40.132,90.449 h1.52 r90; Top Overlay "5V" at 44.147,84.874 h1.52 r90; Top Overlay "B9" at 44.125,82.334 h1.52 r90; Top Overlay "B13" at 44.125,44.158 h1.52 r90; Top Overlay "B11" at 27.47,51.549 h1.52 r90; Top Overlay "A2" at 27.241,74.638 h1.52 r90; Top Overlay "GND" at 29.566,90.449 h1.52 r90; Top Overlay "C15" at 27.368,81.953 h1.52 r90; Top Overlay "B0" at 27.47,59.398 h1.52 r90; Top Overlay "R" at 27.47,49.263 h1.52 r90; Top Overlay "A5" at 27.089,67.018 h1.52 r90; Top Overlay "3V3" at 37.313,90.449 h1.52 r90; Top Overlay "SCK" at 32.224,90.449 h1.52 r90; Top Overlay "B4" at 44.107,69.634 h1.52 r90; Top Overlay "B7" at 44.104,77.254 h1.52 r90; Top Overlay "A9" at 44.125,54.394 h1.52 r90; Top Overlay "G" at 44.138,87.414 h1.52 r90; Top Overlay "A7" at 27.47,61.938 h1.52 r90; Top Overlay "B8" at 44.125,79.794 h1.52 r90; Top Overlay "3V3" at 44.125,89.522 h1.52 r90; Top Overlay "A11" at 44.107,59.245 h1.52 r90; Top Overlay "A1" at 27.47,77.178 h1.52 r90; Top Overlay "B15" at 44.125,49.238 h1.52 r90; Top Overlay "DIO" at 34.756,90.449 h1.52 r90; Top Overlay "VB" at 27.47,89.878 h1.52 r90; Top Overlay "B6" at 44.125,74.714 h1.52 r90; Top Overlay "A8" at 44.125,51.854 h1.52 r90; Top Overlay "A0" at 27.47,79.718 h1.52 r90; Top Overlay "3V3" at 27.47,46.419 h1.52 r90; Top Overlay "G" at 25.413,44.59 h1.52 r90; Top Overlay "C14" at 27.47,84.493 h1.52 r90; Top Overlay "B10" at 27.47,54.089 h1.52 r90
BUZZER: Top Overlay "+" at 7.963,87.708 h1.2
C7: Top Overlay "+" at 17.526,13.081 h1.5
C8: Top Overlay "+" at 25.892,17.399 h1.5 r180
IC1: Top Overlay "GND" at 16.924,78.817 h0.9; Top Overlay "VDD" at 16.924,81.386 h0.9